# KiCad board backplane-breaout-big.kicad_pcb (continued)
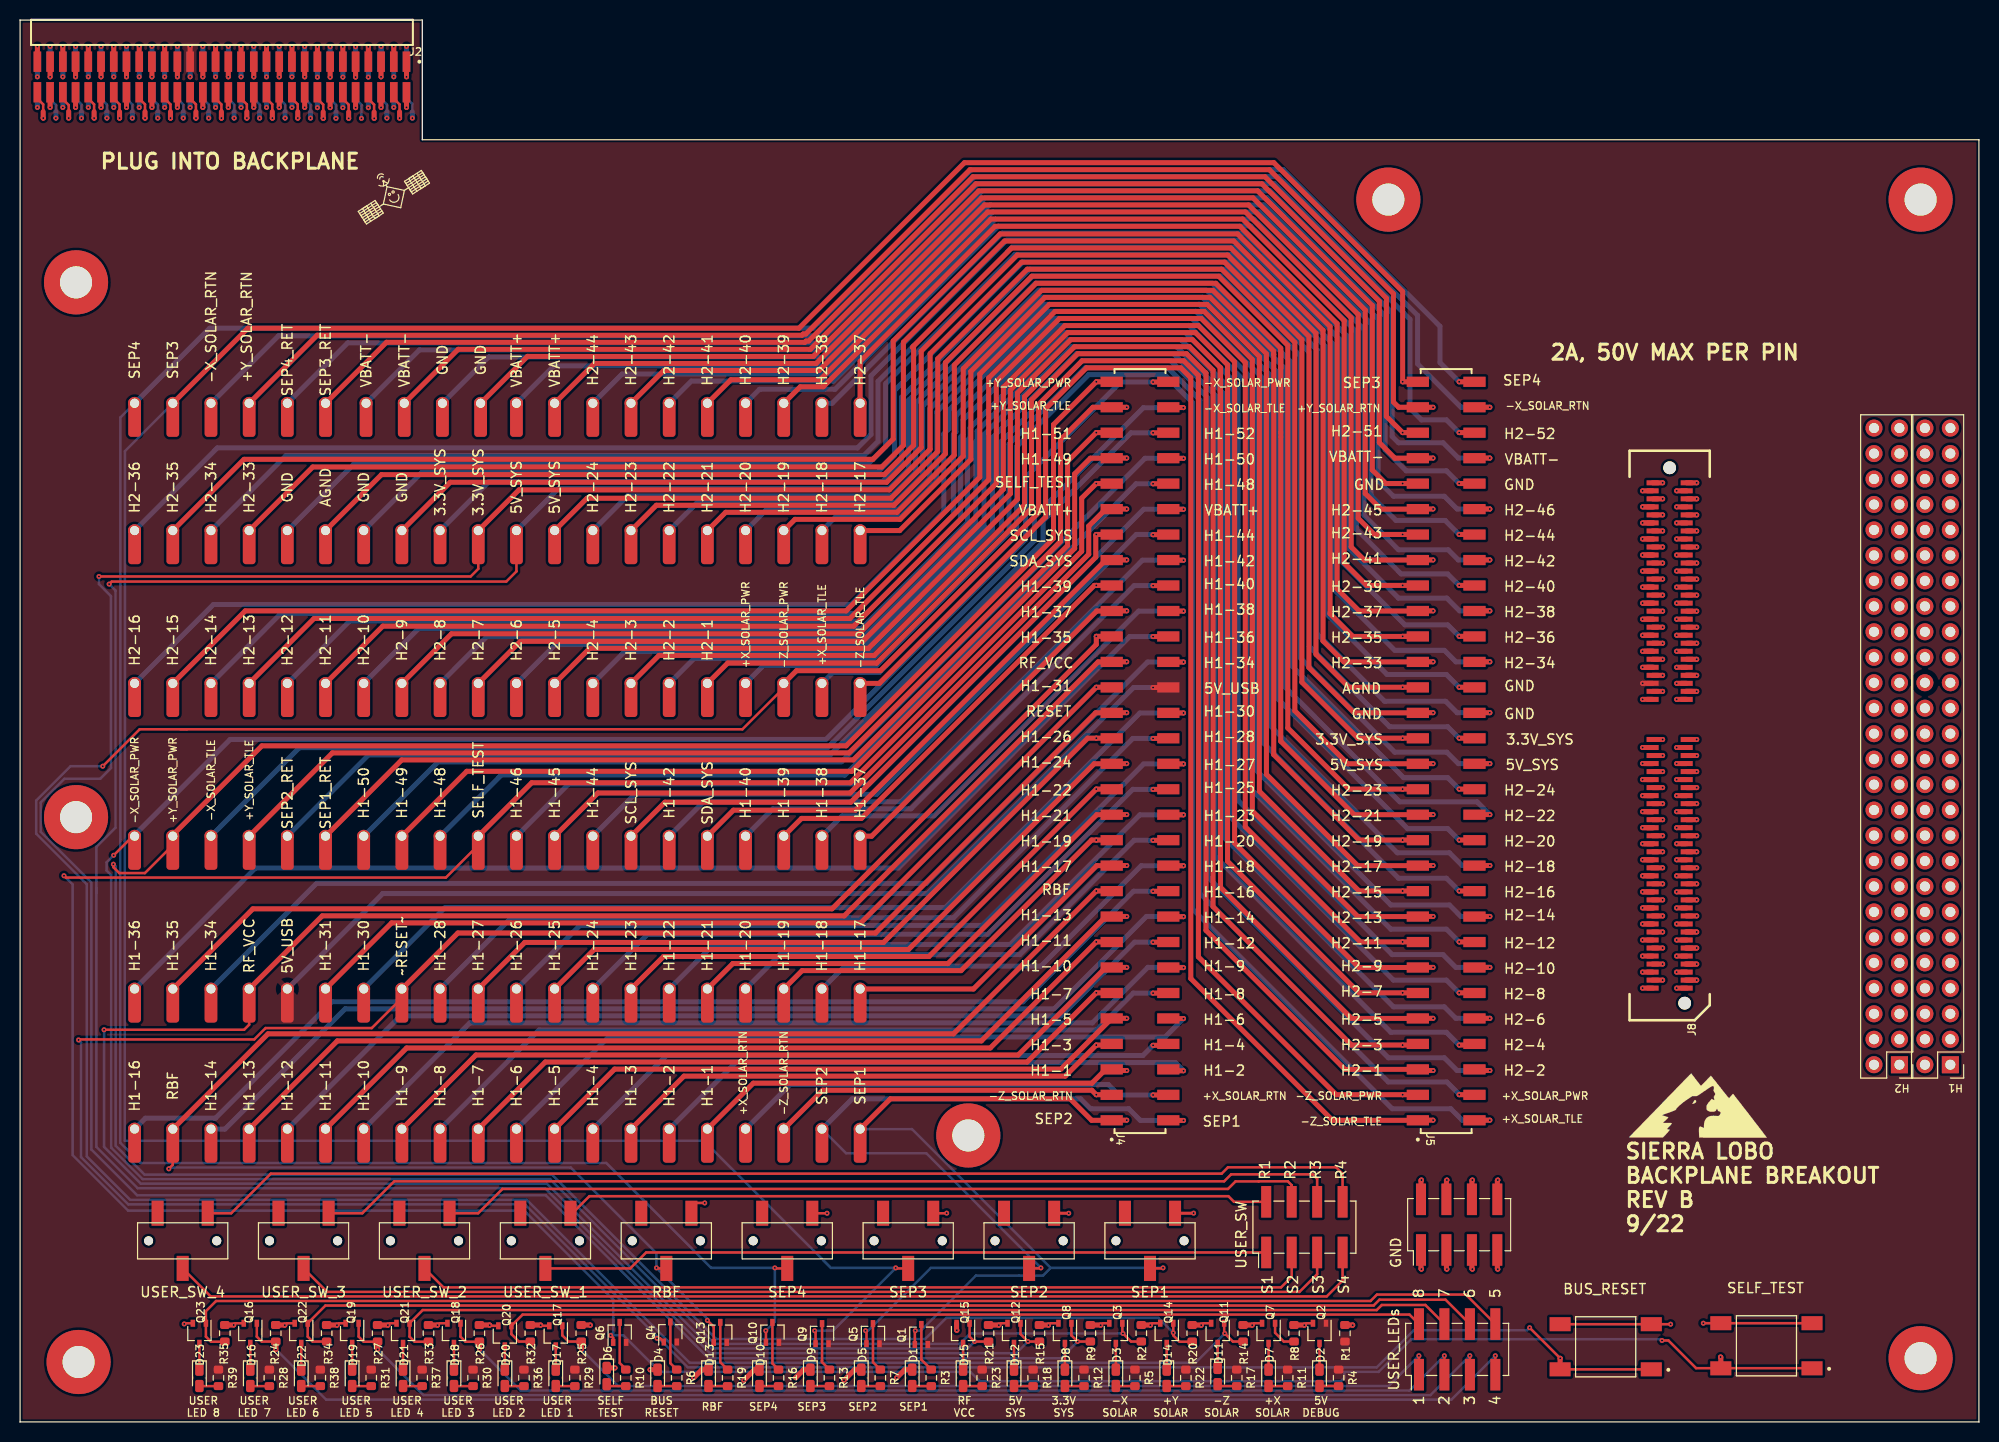
[diagram p0: board, top side]
## Routing (per net, layer and track width the routed paths; a pad name or vN(x,y) marks a point on that pad's centre or on a via; arc(x,y) is an arc through that point) (continued)
/SELF_TEST: length 616.8
  Top w0.25: 6.81,132 7.39,131.42 7.39,130.68 ; v1(58.93,8.64) 59.18,8.38 Q6.1 ; 178.82,5.36 167.23,5.36 164.47,8.13 v1(163.83,8.13) ; 45.72,57.53 42.48,54.29 4.57,54.29 v1(4.38,54.48)
  Top w0.5: 108.9,93.6 v1(107.38,93.6) 105.93,92.14 105.93,86.84 82.84,63.75 51.05,63.75 TP51.1 ; 7.39,130.68 7.39,130.05 v1(7.39,130.05) ; SW2.1 169.7,6.45 v1(169.67,6.48) ; J8.101 v1(165.29,86.47)
  In1.Cu w0.4: H1.47 191.35,95.3 183.68,95.3
  In1.Cu w0.5: 184.58,95.3 176.68,95.3 167.85,86.47 v1(165.29,86.47) 162.89,86.47 162.09,87.27 157.85,87.27 152.25,92.87 108.11,92.87 v1(107.38,93.6) ; v1(7.39,130.05) 7.39,123.61 24.82,106.19 84.97,106.19 88.29,102.87 88.29,68.73 81.91,62.36 49.65,62.36 TP51.1
  Bottom w0.25: 59.25,9.58 59.18,9.58 59.18,10.41 ; v1(4.38,54.48) 5.25,53.62 5.25,26.62 10.78,21.08 50.29,21.08 59.18,12.19 59.18,10.41 ; 59.18,10.41 59.18,8.89 v1(58.93,8.64) 60.2,8.64 63.05,5.78 63.1,5.78 63.44,5.45 63.44,5.39 63.84,4.99 94.83,4.99 95.75,4.06 131.79,4.06 132.13,4.4 132.13,4.88 132.02,4.99 135.55,4.99 138.81,8.25 163.7,8.25 v1(163.83,8.13)
/SEP1: length 315.7
  Top w0.25: v1(89.33,9.1) 89.28,9.06 Q1.1 ; v1(114.05,15.37) 113.99,15.32 SW7.2
  Top w0.5: TP1.1 86.84,32.23 104.78,32.23 106.92,30.09 J4.1 ; J8.1 v1(165.29,43.27) ; 108.9,30.1 110.38,30.1 ; v1(38.56,131.11) J2.1
  In1.Cu w0.25: v1(38.56,131.11) 38.56,129.71 38.61,129.67
  In1.Cu w0.5: v1(165.29,43.27) 163.65,43.27 151.18,30.8 111.13,30.8 v1(110.43,30.1) ; TP1.1 106.02,51.41 106.02,110.25 92.15,124.13 40.21,124.13 38.61,125.73 38.61,129.54
  Bottom w0.25: 102.83,15.37 88.99,29.21 TP1.1 ; 102.83,15.37 v1(114.05,15.37) ; 102.83,15.37 102.07,14.6 95.38,14.6 89.88,9.1 v1(89.33,9.1)
/SEP2: length 319.4
  Top w0.25: 100.68,15.32 101.8,15.32 v1(101.85,15.37) ; 84.46,7.81 84.46,9.01 v1(84.36,9.1)
  Top w0.5: 38.56,135.68 38.56,134.17 ; 114.57,30.07 116.05,30.07 ; J8.2 v1(161.89,43.27)
  In3.Cu w0.25: 38.48,129.54 38.48,130.26 37.98,130.76 37.98,131.56
  In3.Cu w0.5: 37.98,131.56 37.98,133.59 v1(38.56,134.16) ; TP61.1 83.19,32.38 86.11,32.38 105.79,52.07 105.79,111 91.06,125.73 40,125.73 38.48,127.25 38.48,129.67 ; v1(161.89,43.27) 149.42,30.8 116.82,30.8 v1(116.09,30.07)
  Bottom w0.25: TP61.1 82.42,26.8 90.42,26.8 v1(101.85,15.37) 90.88,15.37 84.62,9.1 v1(84.36,9.1)
  Bottom w0.5: TP61.1 83.03,32.23 105.82,32.23 106.81,31.24 110.62,31.24 111.79,30.07 v1(116.09,30.07)
/SEP3: length 394.9
  Top w0.25: SW9.2 87.43,15.32 v1(87.38,15.37) ; v1(79.28,9.1) 79.38,9.01 79.38,7.81
  Top w0.5: TP60.1 22.73,109.09 77.72,109.09 94.23,125.6 125.09,125.6 137.95,112.75 v1(137.95,103.75) 139.47,103.75 ; J8.119 v1(167.29,93.67)
  In4.Cu w0.5: v1(1.73,134.16) 1.03,133.46 1.03,128.51 15.24,114.3 TP60.1 ; v1(167.29,93.67) 165.1,93.67 164.4,92.97 162.79,92.97 162.07,93.69 162.05,93.67 155.85,93.67 146.48,103.04 138.65,103.04 v1(137.95,103.75)
  Bottom w0.25: v1(79.28,9.1) 81.11,9.1 v1(87.38,15.37) 80.9,15.37 68.22,28.04 10.45,28.04 10.45,57.92 10.46,57.94 10.46,96.83 TP60.1
  Bottom w0.5: 1.73,135.67 v1(1.73,134.16)
/SEP4: length 368.7
  Top w0.25: v1(75.31,15.37) 75.36,15.32 SW10.2 ; v1(74.41,9.1) 74.42,9.09 74.42,7.94
  Top w0.5: J8.120 v1(163.89,93.67) ; 145.12,103.75 v1(143.59,103.75)
  In2.Cu w0.25: 1.65,129.79 1.73,129.87 v1(1.73,131.11)
  In2.Cu w0.5: v1(163.89,93.67) 156.45,93.67 146.37,103.75 v1(143.59,103.75) ; 1.65,129.79 1.65,125.98 11.43,116.2 TP120.1
  Bottom w0.25: TP120.1 10.01,100.19 10.01,58.12 9.99,58.11 9.99,27.86 12.02,25.83 58.5,25.83 68.96,15.37 v1(75.31,15.37) 75.31,10.01 v1(74.41,9.1)
  Bottom w0.5: J1.60 v1(1.73,131.11) ; TP120.1 18.92,109.09 79.12,109.09 94.93,124.9 126.05,124.9 141.67,109.28 141.67,105.66 v1(143.59,103.75)
/USER_LED_1: length 92.1
  Top w0.25: R25.1 54.72,8.02 54.1,8.63 Q17.1 ; v1(139.57,6.6) 139.58,6.6 J7.1
  Top w0.5: v1(56.01,7.24) 56.01,8.01
  Bottom w0.25: v1(139.57,6.6) 136.55,3.58 59.66,3.58 v1(56.01,7.24)
/USER_LED_2: length 94.4
  Top w0.25: J7.2 138.64,10.71 50.14,10.71 Q20.1 49.02,8.76 49.77,8.02 R32.1
/USER_LED_3: length 105.5
  Top w0.25: Q18.1 43.94,8.51 44.45,8 45.81,8 ; J7.3 142.12,6.6 v1(142.11,6.6)
  Top w0.5: v1(45.85,7.24) 45.85,8.01
  Bottom w0.25: v1(45.85,7.24) 49.96,3.13 138.64,3.13 v1(142.11,6.6)
/USER_LED_4: length 108.2
  Top w0.25: 40.74,8 39.37,8 38.86,8.51 Q21.1 40.18,11.16 135.37,11.16 135.87,11.67 140.22,11.67 J7.4
/USER_LED_5: length 118.6
  Top w0.25: v1(144.65,6.6) 144.66,6.6 J7.5 ; Q19.1 33.78,8.51 34.29,8 35.66,8
  Top w0.5: v1(35.69,7.24) 35.69,8.01
  Bottom w0.25: v1(144.65,6.6) 140.73,2.68 40.25,2.68 v1(35.69,7.24)
/USER_LED_6: length 121.4
  Top w0.25: J7.6 142.23,12.19 135.64,12.19 135.06,11.61 30.47,11.61 Q22.1 28.7,8.51 29.19,8.02 R34.1
/USER_LED_7: length 131.6
  Top w0.25: Q16.1 23.62,8.51 24.11,8.02 R24.1 ; v1(147.19,6.6) 147.2,6.6 J7.7
  Top w0.5: v1(25.53,7.24) 25.53,8.01
  Bottom w0.25: v1(147.19,6.6) 142.81,2.22 30.54,2.22 v1(25.53,7.24)
/USER_LED_8: length 135.2
  Top w0.25: 20.42,8 19.05,8 18.54,8.51 Q23.1 18.54,11.05 19.56,12.06 134.75,12.06 135.38,12.7 144.26,12.7 J7.8
/USER_SW_1_RET: length 70.9
  Top w0.25: J6.2 121.13,21.95 120.56,22.52 56.81,22.52 54.61,20.32
/USER_SW_1_SEND: length 72.6
  Top w0.25: 52.42,15.32 60.88,15.32 62.47,16.91 J6.1
/USER_SW_2_RET: length 87.2
  Top w0.25: 126.88,21.95 126.88,23.62 126.49,24 123.59,24 123.58,23.99 121.28,23.99 120.52,23.24 48.13,23.24 45.71,20.82 SW4.3
/USER_SW_2_SEND: length 90.2
  Top w0.25: 126.88,16.91 126.88,14.48 125.82,13.42 42.25,13.42 SW4.2
/USER_SW_3_RET: length 102.7
  Top w0.25: SW5.3 34.15,20.82 37.34,24 120.14,24 120.84,24.7 128.97,24.7 129.42,24.25 J6.6
/USER_SW_3_SEND: length 105
  Top w0.25: J6.5 129.42,14.74 127.65,12.97 30.63,12.97 28.29,15.32
/USER_SW_4_RET: length 118.2
  Top w0.25: SW6.3 21.07,20.82 25.02,24.76 119.89,24.76 120.52,25.4 131.32,25.4 131.96,24.76 J6.8
/USER_SW_4_SEND: length 120.4
  Top w0.25: J6.7 131.96,14.1 130.37,12.52 19.02,12.52 SW6.2
Net-(D1-Pad2): length 1.9
  Top w0.25: R3.2 89.03,3.57
Net-(D2-Pad1): length 2.6
  Top w0.25: D2.1 Q2.3
Net-(D2-Pad2): length 1.9
  Top w0.25: D2.2 131.55,3.59
Net-(D3-Pad1): length 2.6
  Top w0.25: D3.1 Q3.3
Net-(D3-Pad2): length 1.9
  Top w0.25: R5.2 109.35,3.57
Net-(D4-Pad2): length 1.9
  Top w0.25: R6.2 63.63,3.57
Net-(D5-Pad2): length 1.9
  Top w0.25: R7.2 83.95,3.57
Net-(D6-Pad2): length 1.7
  Top w0.25: R10.2 58.72,3.57
Net-(D7-Pad1): length 2.6
  Top w0.25: D7.1 Q7.3
Net-(D7-Pad2): length 1.9
  Top w0.25: R11.2 124.59,3.57
Net-(D8-Pad1): length 2.6
  Top w0.25: Q8.3 D8.1
Net-(D8-Pad2): length 1.9
  Top w0.25: R12.2 104.27,3.57
Net-(D9-Pad2): length 1.9
  Top w0.25: R13.2 78.87,3.57
Net-(D10-Pad2): length 1.9
  Top w0.25: R16.2 73.79,3.57
Net-(D11-Pad1): length 2.5
  Top w0.25: D11.1 Q11.3
Net-(D11-Pad2): length 1.7
  Top w0.25: R17.2 119.68,3.57
Net-(D12-Pad1): length 2.6
  Top w0.25: Q12.3 D12.1
Net-(D12-Pad2): length 1.9
  Top w0.25: R18.2 99.19,3.57
Net-(D13-Pad2): length 1.9
  Top w0.25: R19.2 68.71,3.57
Net-(D14-Pad1): length 2.6
  Top w0.25: Q14.3 D14.1
Net-(D14-Pad2): length 1.9
  Top w0.25: R22.2 114.43,3.57
Net-(D15-Pad1): length 2.6
  Top w0.25: Q15.3 D15.1
Net-(D15-Pad2): length 1.9
  Top w0.25: R23.2 94.11,3.57
Net-(D16-Pad1): length 2.6
  Top w0.25: D16.1 Q16.3
Net-(D16-Pad2): length 1.9
  Top w0.25: R28.2 22.99,3.57
Net-(D17-Pad1): length 2.4
  Top w0.25: Q17.3 D17.1
Net-(D17-Pad2): length 1.9
  Top w0.25: R29.2 53.47,3.57
Net-(D18-Pad1): length 2.6
  Top w0.25: Q18.3 D18.1
Net-(D18-Pad2): length 1.9
  Top w0.25: R30.2 43.31,3.57
Net-(D19-Pad1): length 2.6
  Top w0.25: D19.1 Q19.3
Net-(D19-Pad2): length 1.9
  Top w0.25: R31.2 33.15,3.57
Net-(D20-Pad1): length 2.4
  Top w0.25: Q20.3 D20.1
Net-(D20-Pad2): length 1.9
  Top w0.25: R36.2 48.39,3.57
Net-(D21-Pad1): length 2.6
  Top w0.25: Q21.3 D21.1
Net-(D21-Pad2): length 1.9
  Top w0.25: R37.2 38.23,3.57
Net-(D22-Pad1): length 2.6
  Top w0.25: D22.1 Q22.3
Net-(D22-Pad2): length 1.9
  Top w0.25: R38.2 28.07,3.57
Net-(D23-Pad1): length 2.6
  Top w0.25: D23.1 Q23.3
Net-(D23-Pad2): length 1.9
  Top w0.25: R39.2 17.91,3.57
Net-(Q1-Pad3): length 4.9
  Top w0.25: Q1.3 89.93,6.21 R3.1
Net-(Q4-Pad3): length 5
  Top w0.25: R6.1 64.88,5.86 Q4.3
Net-(Q5-Pad3): length 4.9
  Top w0.25: R7.1 85.1,5.96 Q5.3
Net-(Q6-Pad3): length 5
  Top w0.25: R10.1 60.44,5.28 59.83,5.88 Q6.3
Net-(Q7-Pad1): length 3.2
  Top w0.25: R8.1 126.09,8.02 125.22,8.89 Q7.1
Net-(Q9-Pad3): length 4.9
  Top w0.25: R13.1 80.01,5.97 80.01,6.1 80.02,6.11 Q9.3
Net-(Q10-Pad3): length 5
  Top w0.25: Q10.3 75.07,5.83 R16.1
Net-(Q13-Pad3): length 5
  Top w0.25: Q13.3 69.86,5.96 R19.1

## Copper pours and planes (outline as drawn; the poured copper is in the pictures)
5V_DEBUG on Top: 40.13,127.89 195.45,127.89 195.45,0 0,0 0,139.83 40.13,139.83
GND on Bottom, In1.Cu, In2.Cu, In3.Cu, In4.Cu: 40.13,127.89 195.45,127.89 195.45,0 0,0 0,139.83 40.13,139.83

## Text on the board
F.Mask: HILLIS
F.Silkscreen: USER / LED 8 | USER / LED 7 | USER / LED 6 | USER / LED 5 | USER / LED 4 | USER / LED 3 | USER / LED 2 | USER / LED 1 | SELF / TEST | BUS / RESET | RBF | SEP4 | SEP3 | SEP2 | SEP1 | RF / VCC | 5V / SYS | +Y_SOLAR_PWR | +Y_SOLAR_TLE | -Z_SOLAR_RTN | 3.3V / SYS | -X / SOLAR | +Y / SOLAR | -Z / SOLAR | -X_SOLAR_TLE | +X_SOLAR_RTN | -X_SOLAR_PWR | +X / SOLAR | 5V / DEBUG | +Y_SOLAR_RTN | -Z_SOLAR_PWR | -Z_SOLAR_TLE | +X_SOLAR_TLE | +X_SOLAR_PWR | -X_SOLAR_RTN | SELF_TEST | SCL_SYS | SDA_SYS | H1-51 | H1-49 | VBATT+ | H1-39 | H1-37 | H1-35 | RF_VCC | H1-31 | H1-26 | H1-24 | H1-22 | H1-21 | H1-19 | H1-17 | H1-13 | H1-11 | H1-10 | RESET | H1-7 | H1-5 | H1-3 | H1-1 | H1-9 | H1-8 | H1-6 | H1-4 | H1-2 | H1-52 | H1-50 | H1-48 | H1-44 | H1-42 | H1-40 | H1-38 | H1-36 | H1-34 | H1-30 | H1-28 | H1-27 | H1-25 | H1-23 | H1-20 | H1-18 | H1-16 | H1-14 | H1-12 | 5V_USB | 3.3V_SYS | VBATT- | H2-51 | H2-45 | H2-43 | H2-41 | H2-39 | H2-37 | H2-35 | H2-33 | 5V_SYS | H2-23 | H2-21 | H2-19 | H2-17 | H2-15 | H2-13 | H2-11 | AGND | H2-9 | H2-7 | H2-5 | H2-3 | H2-1 | GND | H2-8 | H2-6 | H2-4 | H2-2 | H2-52 | H2-46 | H2-44 | H2-42 | H2-40 | H2-38 | H2-36 | H2-34 | H2-24 | H2-22 | H2-20 | H2-18 | H2-16 | H2-14 | H2-12 | H2-10 | R1 | S1 | R2 | S2 | R3 | S3 | R4 | S4 | 8 | 1 | 7 | 2 | 6 | 3 | 5 | 4 | SIERRA LOBO / BACKPLANE BREAKOUT / REV B / 9/22 | PLUG INTO BACKPLANE | 2A, 50V MAX PER PIN
